# Altium PCB Levitador Magnetico.PcbDoc (part 3 of 3)
Units mm, origin at the board's own origin, x right, y up, seen from the top; angles counter-clockwise.
Board outline 150 x 150 mm, 2 copper layers (Top Layer, Bottom Layer), stack 1.571 mm thick; 249 components, 116 nets, 646 pads, 2428 vias.
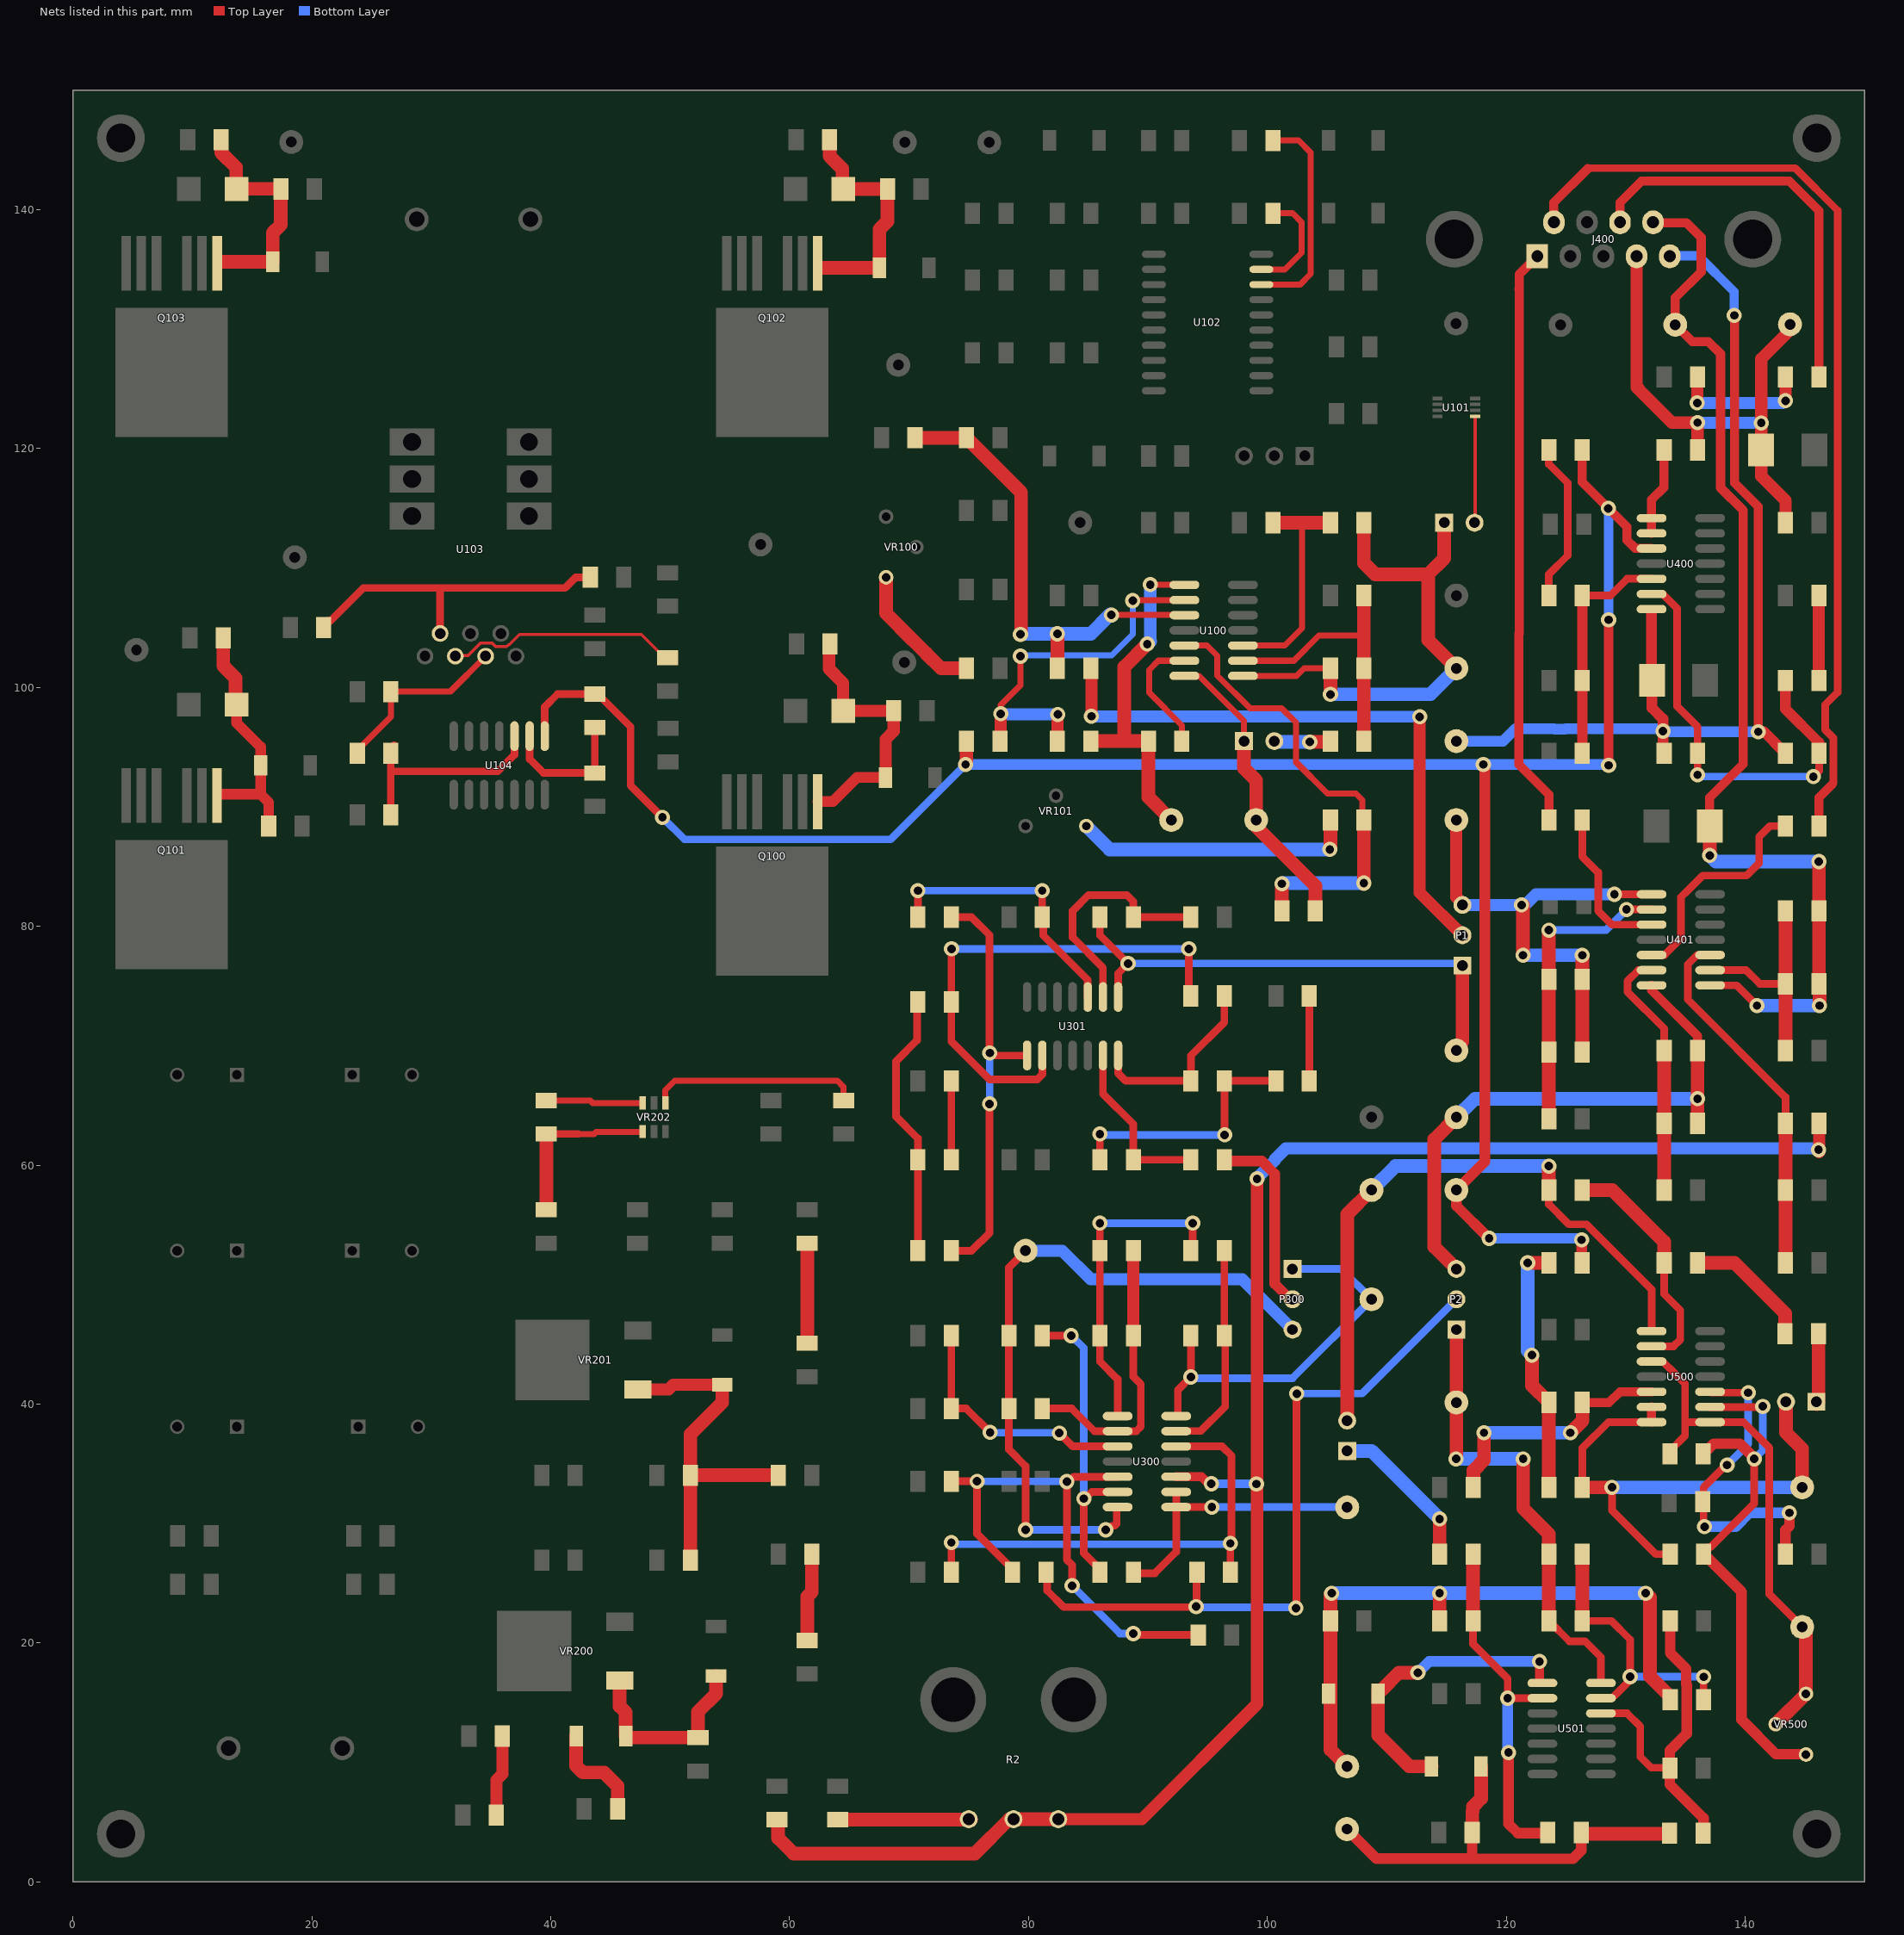
[diagram p3: the nets of this part, all layers, seen from the top]

## Via types
v1: diameter 0.6, hole 0.3, Top Layer to Bottom Layer, tented both sides, 1902 vias
v2: diameter 0.6, hole 0.3, Top Layer to Bottom Layer, 358 vias
v3: diameter 1.27, hole 0.711, Top Layer to Bottom Layer, tented both sides, 165 vias
v4: diameter 1.27, hole 0.711, Top Layer to Bottom Layer, 3 vias

## Nets (pads, with @x,y where several pads share a name; then routed paths per layer and width w, separated by ;. In a path a pad name is that pad's centre, name@x,y a point inside that pad or via, vN(x,y) a via of type N, cw(c..) or ccw(c..) an arc to the next point about the centre after c; other vN are vias at no path point) (continued)
HDEL: R119.1 U102.8 | length 18.3
  Top Layer w0.508: U102.8@99.496,133.731 102.743,133.731 103.632,134.62 103.632,144.78 102.616,145.796 R119.1@100.46,145.796
LDEL: R120.1 U102.9 | length 9.2
  Top Layer w0.508: U102.9@99.496,135.001 101.473,135.001 102.87,136.398 102.87,138.938 102.108,139.7 R120.1@100.46,139.7
NetC103_1: C103.1 R101.1 R106.2 U100.9 | length 23.1
  Top Layer w0.508: U100.9@97.954,102.235 102.21,102.235 104.318,104.343 107.975,104.343
  Top Layer w1.143: R106.2@108.08,95.504 R101.1@108.08,101.6 C103.1@108.08,107.696
NetC200_2: C200.2 D200.1 D202.1 VR200.1 | length 16.6
  Top Layer w1.143: VR200.1@45.771,16.84 45.771,14.681 46.271,14.181 D202.1@46.271,12.192 ; D202.1@46.395,12.068 C200.2@52.324,12.068 52.324,14.224 53.848,15.748 D200.1@53.848,17.229
NetC203_2: C203.2 C204.2 D201.1 R200.1 VR201.1 | length 30.4
  Top Layer w1.016: VR201.1@47.295,41.224 49.86,41.224 50.249,41.613 D201.1@54.356,41.613
  Top Layer w1.143: R200.1@51.692,26.924 C203.2@51.692,34.036 ; D201.1@54.356,41.613 54.356,40.132 51.692,37.468 C203.2@51.692,34.036 ; C204.2@59.052,34.036 C203.2@51.692,34.036
NetC208_2: C208.2 VR202.1 | length 17.7
  Top Layer w0.508: VR202.1@49.591,65.208 49.591,66.279 50.368,67.056 64.008,67.056 64.516,66.548 C208.2@64.516,65.408
NetC300_2: C300.2 R300.1 R305.2 U300.2 | length 24.2
  Top Layer w0.635: R305.2@81.156,39.624 83.617,39.624 85.522,37.719 U300.2@87.466,37.719 89.027,37.719 89.408,38.1 89.408,41.656 88.776,42.288 R300.1@88.776,45.72
  Top Layer w1.016: R300.1@88.776,45.72 C300.2@88.776,52.832
NetC303_1: C303.1 R314.1 | length 7.1
  Top Layer w0.635: R314.1@103.508,67.056 C303.1@103.508,74.168
NetC304_2: C304.2 R315.1 | length 6.6
  Top Layer w0.635: R315.1@73.536,60.452 C304.2@73.536,67.056
NetC400_2: C400.2 R400.2 R402.1 U401.2 | length 25
  Top Layer w0.635: R402.1@123.368,75.765 R402.1@123.571,75.968 ; v3(130.073,81.407) U401.2@132.17,81.407
  Top Layer w1.143: R400.2@123.568,63.881 C400.2@123.568,69.469 R402.1@123.568,75.565 ; R402.1@123.571,75.968 v3(123.571,79.68)
  Bottom Layer w0.635: v3(123.571,79.68) 128.346,79.68 v3(130.073,81.407)
NetC402_2: C402.2 R404.1 R405.2 U400.6 | length 36.4
  Top Layer w0.635: U400.6@132.17,107.823 133.103,107.823 134.315,106.611 134.315,98.425 136.02,96.72 R404.1@136.02,94.488 v3(136.02,92.682) ; v3(145.72,92.532) 146.202,93.015 C402.2@146.202,94.466
  Top Layer w0.889: R405.2@143.38,100.584 143.38,98.183 146.18,95.383 C402.2@146.18,94.488
  Bottom Layer w0.635: v3(136.02,92.682) 136.169,92.532 v3(145.72,92.532)
NetC403_2: C403.2 R406.2 R407.1 U401.6 | length 21.2
  Top Layer w0.635: U401.6@132.17,76.327 131.064,76.327 130.15,75.413 130.15,74.524 133.22,71.453 C403.2@133.22,69.596
  Top Layer w1.143: R406.2@133.22,57.912 R407.1@133.22,63.5 C403.2@133.22,69.596
NetC404_1: C404.1 R405.1 | length 7.1
  Top Layer w1.016: R405.1@146.18,100.584 C404.1@146.18,107.696
NetC406_2: C406.2 R409.1 | length 13.5
  Top Layer w0.635: R409.1@123.568,107.696 123.568,109.471 125.146,111.049 125.146,117.119 123.568,118.697 C406.2@123.568,119.888
NetC407_2: C407.2 R408.1 R409.2 U400.5 | length 19.6
  Top Layer w0.635: R409.2@126.368,107.696 128.727,107.696 130.124,109.093 U400.5@132.17,109.093
  Top Layer w0.889: C407.2@126.368,94.488 R408.1@126.368,100.584 R409.2@126.368,107.696
NetC408_2: C408.2 R411.1 R412.2 U401.9 | length 18.5
  Top Layer w0.635: U401.9@137.07,76.327 140.081,76.327 141.224,75.184 C408.2@143.38,75.184
  Top Layer w1.143: R412.2@143.38,69.596 C408.2@143.38,75.184 R411.1@143.38,81.28
NetC409_1: C409.1 R413.2 R414.2 U401.10 | length 30.6
  Top Layer w0.635: U401.10@137.07,77.597 135.992,77.597 135.204,76.81 135.204,73.863 143.38,65.687 R413.2@143.38,63.5
  Top Layer w1.143: C409.1@143.38,51.816 R414.2@143.38,57.912 R413.2@143.38,63.5
NetC500_2: C500.2 R502.2 R503.2 U501.13 | length 24.9
  Top Layer w0.635: R503.2@126.317,27.381 R503.2@126.368,27.432 ; C500.2@126.368,21.844 128.803,21.844 130.378,20.269 v3(130.378,17.17) 130.257,17.049 130.257,16.765 129.208,15.715 129.192,15.715 128.844,15.367 U501.13@127.926,15.367 ; R502.2@136.528,15.24 v3(136.528,17.148)
  Top Layer w1.143: C500.2@126.368,21.844 R503.2@126.368,27.432
  Bottom Layer w0.635: v3(130.378,17.17) 130.389,17.159 136.517,17.159 v3(136.528,17.148)
NetC501_2: C501.2 R508.2 R509.1 | length 21.3
  Top Layer w1.143: v3(121.793,51.816) R508.2@123.568,51.816 ; v3(122.149,44.094) 122.149,41.551 R509.1@123.568,40.132 C501.2@123.568,33.02
  Bottom Layer w1.143: v3(121.793,51.816) 121.793,44.45 v3(122.149,44.094)
NetC502_1: C502.1 P500.1 | length 6
  Top Layer w1.143: P500.1@146.007,39.982 146.149,40.124 C502.1@146.149,45.89
NetC502_2: C502.2 R510.1 | length 10.7
  Top Layer w1.143: R510.1@136.02,51.816 139.116,51.816 143.356,47.576 C502.2@143.356,45.98
NetC503_1: C503.1 R509.2 U500.5 | length 21.3
  Top Layer w0.762: R509.2@126.393,40.107 128.6,40.107 129.515,41.021 U500.5@132.17,41.021
  Top Layer w1.143: C503.1@117.224,33.02 117.259,33.055 117.259,34.434 118.135,35.31 v3(118.135,37.592) ; v3(125.374,37.592) 126.393,38.611 R509.2@126.393,40.107
  Bottom Layer w1.143: v3(118.135,37.592) v3(125.374,37.592)
NetC504_2: C504.2 R506.2 R512.1 U501.12 | length 29.5
  Top Layer w0.635: U501.12@127.926,14.097 130.124,14.097 131.216,13.005 131.216,10.465 132.141,9.541 133.411,9.541 133.698,9.253 133.728,9.223 C504.2@133.728,9.144
  Top Layer w0.889: R512.1@133.728,21.844 133.728,19.155 135.062,17.821 135.062,17.768 ; 135.065,17.768 135.065,16.525 135.109,16.481 135.109,12.39 133.698,10.979 C504.2@133.698,9.507 133.698,9.253 133.698,8.143 136.52,5.321 R506.2@136.52,4.054
NetC507_2: C507.2 R513.2 U500.9 VR500.1 | length 46.1
  Top Layer w0.635: R513.2@136.528,27.432 136.528,27.686 136.845,28.003 137.099,28.003 140.767,31.671 v3(140.767,35.408) ; U500.9@137.07,39.751 137.083,39.738 141.415,39.738 v3(141.478,39.802)
  Top Layer w0.889: C507.2@136.499,35.816 136.499,36.07 136.69,36.26 136.944,36.26 137.363,36.68 139.557,36.68 v3@140.795,35.442 ; R513.2@136.528,27.432 139.7,24.26 139.7,13.566 142.582,10.684 VR500.1@145.12,10.684
  Bottom Layer w0.635: v3(140.767,35.408) 141.478,36.119 v3(141.478,39.802)
NetD102_1: D102.1 D109.2 Q100.1 R117.2 R128.1 | length 22.7
  Top Layer w0.889: Q100.1@62.357,90.43 62.364,90.437 63.614,90.437 65.634,92.456 D109.2@68.029,92.456
  Top Layer w1.016: R117.2@63.475,103.533 63.297,103.356 63.297,101.549 64.484,100.362 D102.1@64.484,98.044 R128.1@68.704,98.044 68.704,96.339 68.029,95.664 D109.2@68.029,92.456
NetD103_1: D103.1 D108.2 Q101.1 R118.1 R127.2 | length 20.8
  Top Layer w0.889: Q101.1@12.198,91.051 15.705,91.051 ; D103.1@13.691,98.545 13.691,97.028 15.705,95.014 D108.2@15.705,93.472 15.705,91.051 ; R127.2@16.38,88.392 16.38,90.376 15.705,91.051
  Top Layer w1.143: R118.1@12.576,104.14 12.576,101.8 13.589,100.787 13.589,98.647 D103.1@13.684,98.552 D103.1@13.691,98.545
NetD105_1: D105.1 D111.2 Q102.1 R126.2 R130.1 | length 20.3
  Top Layer w1.143: Q102.1@62.56,135.128 D111.2@67.521,135.128 67.521,138.362 68.196,139.037 R130.1@68.196,141.732 D105.1@64.484,141.732 64.42,141.796 64.42,143.421 63.343,144.498 R126.2@63.343,146.012
NetD107_1: D107.1 D110.2 Q103.1 R125.1 R129.2 | length 19.3
  Top Layer w1.143: Q103.1@12.282,135.636 D110.2@16.721,135.636 16.721,138.063 17.396,138.738 R129.2@17.396,141.732 ; R125.1@12.401,145.869 12.401,144.784 13.656,143.53 D107.1@13.656,141.652 ; D107.1@13.665,141.751 R129.2@17.377,141.751
NetD202_2: D202.2 F200.2 | length 8.6
  Top Layer w1.143: D202.2@42.121,12.192 42.121,9.695 42.672,9.144 44.456,9.144 45.596,8.004 F200.2@45.596,6.096
NetD203_2: D203.2 R203.2 | length 6.8
  Top Layer w1.016: D203.2@35.436,5.588 35.436,8.512 35.944,9.02 R203.2@35.944,12.192
NetD204_2: D204.2 R204.1 | length 7.4
  Top Layer w1.143: D204.2@61.468,20.196 61.468,23.876 61.852,24.26 R204.1@61.852,27.432
NetD205_2: D205.2 R205.2 | length 8.4
  Top Layer w1.143: D205.2@61.468,45.088 R205.2@61.468,53.464
NetD403_2: D403.2 R415.2 | length 11.6
  Top Layer w1.016: v3(135.992,123.825) 136.006,123.839 136.006,125.97 R415.2@136.02,125.984 ; v3(143.38,124.006) D403.2@143.38,125.984
  Bottom Layer w1.016: v3(135.992,123.825) 143.13,123.825 143.311,124.006 v3(143.38,124.006)
NetD500_2: D500.2 D501.1 U501.1 | length 25.1
  Top Layer w0.762: U501.1@122.784,16.879 v3(122.784,18.44)
  Top Layer w1.143: D501.1@109.263,15.748 109.263,12.276 111.887,9.652 D500.2@113.749,9.652 ; D501.1@109.274,16.037 109.552,16.037 111.016,17.501 v3(112.598,17.501)
  Bottom Layer w0.889: v3(112.598,17.501) 113.538,18.44 v3(122.784,18.44)
NetP300_2: P300.2 R318.1 | length 15.8
  Top Layer w0.889: R318.1@96.498,60.35 99.523,60.35 100.609,59.264 100.609,50.063 P300.2@101.905,48.768
  Top Layer w1.016: P300.2@101.905,48.768 P300.2@102.108,48.768
NetP501_1: P501.1 R511.1 | length 13.2
  Top Layer w1.143: P501.1@106.68,36.068 106.68,35.912 P501.1@106.702,35.889 ; R511.1@114.424,27.432 v3(114.424,30.375)
  Bottom Layer w1.143: P501.1@106.68,36.068 108.717,36.068 114.409,30.375 v3(114.424,30.375)
NetR1_1: R1.1 R2.1 | length 11.2
  Top Layer w1.143: R1.1@64.008,5.204 R2.1@75.184,5.204
NetR100_1: R100.1 R102.2 R105.2 U100.3 | length 39.9
  Top Layer w0.508: v3(86.944,106.07) 92.978,106.07 93.029,106.02 U100.3@93.054,106.045
  Top Layer w1.143: R100.1@70.488,120.904 R105.2@74.8,120.904 79.375,116.329 79.375,104.496 v3(79.324,104.445) ; R102.2@82.42,101.6 v3(82.42,104.493)
  Bottom Layer w1.143: v3(79.324,104.445) 79.372,104.493 v3(82.42,104.493) 85.214,104.493 v3@86.843,106.121
NetR103_2: R103.2 VR100.3 | length 11.7
  Top Layer w1.143: VR100.3@68.072,109.22 68.072,106.197 70.336,103.934 70.352,103.934 71.422,102.864 71.422,102.848 72.669,101.6 R103.2@74.8,101.6
NetR104_2: R104.2 U100.6 | length 10.4
  Top Layer w0.508: R104.2@92.84,95.504 92.84,96.822 90.094,99.568 90.094,101.473 90.856,102.235 U100.6@93.054,102.235
NetR107_2: R107.2 R108.1 U100.2 | length 32.1
  Top Layer w0.508: v3(77.673,97.79) 77.673,98.527 79.324,100.178 v3(79.324,102.616) ; v3(88.722,107.264) 88.773,107.315 U100.2@93.054,107.315
  Top Layer w1.016: R107.2@77.673,95.577 v3(77.673,97.79) ; R108.1@82.42,95.504 82.42,97.711 v3(82.448,97.739)
  Bottom Layer w0.508: v3(79.324,102.616) 79.4,102.692 86.97,102.692 88.722,104.445 v3(88.722,107.264)
  Bottom Layer w1.016: v3(77.673,97.79) 77.724,97.739 v3(82.448,97.739)
NetR109_1: R109.1 R110.1 U100.5 | length 39.2
  Top Layer w0.508: U100.5@93.054,103.505 94.945,103.505 95.809,102.641 95.809,100.997 98.558,98.247 101.194,98.247 102.387,97.053 102.413,97.053 102.413,93.726 105.029,91.11 107.417,91.11 107.95,90.576 R109.1@107.95,88.77
  Top Layer w1.143: R110.1@101.216,81.28 v3(101.216,83.563) ; v3(108.077,83.617) R109.1@108.077,88.643
  Bottom Layer w1.143: v3(101.216,83.563) 101.27,83.617 v3(108.077,83.617)
NetR109_2: R109.2 VR101.3 | length 23.7
  Top Layer w1.143: v3(105.232,86.436) 105.28,86.484 R109.2@105.28,88.9
  Bottom Layer w1.143: VR101.3@84.836,88.392 86.792,86.436 v3(105.232,86.436)
NetR111_1: R111.1 R112.1 U100.10 | length 19.1
  Top Layer w0.508: U100.10@97.954,103.505 101.448,103.505 102.895,104.953 102.895,113.741
  Top Layer w1.143: R111.1@100.46,113.792 R112.1@105.28,113.792
NetR113_1: R113.1 R114.2 U104.2 | length 11.7
  Top Layer w0.635: U104.2@38.227,95.922 38.227,94.005 39.389,92.843 43.684,92.843 43.688,92.847 R113.1@43.688,96.644
NetR115_2: R115.2 R116.2 U104.3 | length 18
  Top Layer w0.635: R116.2@26.6,89.332 26.6,92.812 ; R115.2@26.6,94.488 26.6,92.812 ; R115.2@26.876,94.894 R115.2@26.876,95.148 ; U104.3@36.957,95.922 36.957,94.361 35.56,92.964 26.752,92.964 26.6,92.812
NetR121_1: R121.1 U103.5 | length 19.5
  Top Layer w0.254: U103.5@32.004,102.616 32.074,102.686 33.085,102.686 34.096,103.697 35.109,103.697 35.366,103.44 36.308,103.44 cw(c37.084,102.616) 36.557,103.617 37.384,104.445 47.577,104.445 49.53,102.492 R121.1@49.784,102.492
NetR201_1: R201.1 R202.2 VR202.4 | length 14.7
  Top Layer w0.508: 42.288,62.608 43.634,62.608 43.789,62.763 47.557,62.763 47.691,62.629 VR202.4@47.691,62.808
  Top Layer w0.635: R202.2@39.624,62.608 42.288,62.608
  Top Layer w1.143: R201.1@39.624,56.264 R202.2@39.624,62.608
NetR202_1: R202.1 VR202.3 | length 8.1
  Top Layer w0.508: R202.1@39.624,65.408 43.304,65.408 43.504,65.208 VR202.3@47.691,65.208
NetR301_1: R301.1 R303.2 R324.1 U300.5 | length 44.1
  Top Layer w0.635: R301.1@73.536,33.528 v3(75.692,33.528) 75.692,29.131 78.661,26.162 R303.2@78.661,25.908 ; v4(83.65,24.789) 83.65,26.512 83.21,26.952 v3(83.21,33.503) 83.382,33.503 83.789,33.909 U300.5@87.466,33.909 ; v4(88.771,20.776) 88.889,20.658 R324.1@94.214,20.658
  Bottom Layer w0.635: v3(75.692,33.528) 75.705,33.515 83.198,33.515 v3(83.21,33.503) ; v4(83.65,24.789) 87.663,20.776 v4(88.771,20.776)
NetR302_1: R302.1 R304.2 U300.12 | length 40.7
  Top Layer w0.635: R302.1@73.536,25.908 v3(73.536,28.4) ; U300.12@92.366,36.449 96.215,36.449 96.99,35.674 96.99,28.41 v3(96.904,28.324) R304.2@96.904,25.908
  Bottom Layer w0.635: v3(73.536,28.4) 73.679,28.258 96.837,28.258 v3(96.904,28.324)
NetR306_2: R306.2 R308.1 U300.13 | length 17.9
  Top Layer w0.635: U300.13@92.366,37.719 92.378,37.731 94.424,37.731 96.469,39.776 96.469,40.208 R308.1@96.469,45.647 ; R308.1@96.396,45.72 R306.2@96.396,52.832
NetR307_2: R307.2 R311.2 U300.3 | length 21.3
  Top Layer w0.635: R307.2@73.536,45.72 R311.2@73.536,39.624 74.778,39.624 v3(76.784,37.617) ; v3(82.575,37.567) 82.585,37.567 83.703,36.449 U300.3@87.466,36.449
  Bottom Layer w0.635: v3(76.784,37.617) 76.81,37.592 82.55,37.592 v3(82.575,37.567)
NetR309_1: R309.1 TP303.1 U300.8 U300.9 | length 24.2
  Top Layer w0.635: R309.1@88.776,26.162 R309.1@88.776,25.908 88.852,25.832 90.576,25.832 92.366,27.621 U300.8@92.366,31.369 ; U300.9@92.366,32.639 U300.8@92.366,31.369 ; v3@95.288,31.357 v3@95.352,31.293 ; v3(95.352,31.369) 92.394,31.369 92.38,31.355 U300.8@92.366,31.369
  Bottom Layer w0.635: v3@95.352,31.293 v3@95.428,31.369 ; v3(95.352,31.369) v3@95.428,31.369 ; v3@95.441,31.382 v3@95.428,31.369 ; TP303.1@106.685,31.369 v3@95.428,31.369
NetR309_2: R309.2 R310.1 U300.6 | length 26.2
  Top Layer w0.635: R310.1@81.156,45.72 v3(83.566,45.72) ; R309.2@85.976,25.908 85.976,26.162 84.633,27.505 v3(84.633,32.08) 84.739,32.08 85.298,32.639 U300.6@87.466,32.639
  Bottom Layer w0.635: v3@83.642,45.669 84.633,44.679 v3(84.633,32.08)
NetR312_1: R312.1 R320.2 U301.2 | length 42.1
  Top Layer w0.635: v3(73.558,78.105) 73.536,78.083 R312.1@73.536,73.66 73.536,70.355 76.708,67.183 80.747,67.183 81.153,67.589 U301.2@81.153,69.178 ; R320.2@93.421,74.343 v3(93.421,78.105)
  Bottom Layer w0.635: v3(73.558,78.105) v3(93.421,78.105)
NetR312_2: R312.2 R315.2 R317.2 | length 22.3
  Top Layer w0.635: R317.2@70.736,52.832 70.736,62.233 68.91,64.059 68.91,68.707 70.663,70.46 70.663,73.587 R312.2@70.736,73.66
NetR313_1: R313.1 R318.2 U301.6 | length 14.6
  Top Layer w0.635: U301.6@86.233,69.178 86.233,65.964 88.776,63.421 R313.1@88.776,60.452 R318.2@93.596,60.452
NetR313_2: R313.2 R314.2 R316.2 | length 21.4
  Top Layer w0.635: R313.2@85.976,60.452 v3(85.976,62.608) ; R316.2@96.396,67.056 R314.2@100.708,67.056 ; v3(96.418,62.535) R316.2@96.418,67.034
  Bottom Layer w0.635: v3(85.976,62.608) 86.049,62.535 v3(96.418,62.535)
NetR316_1: R316.1 R320.1 U301.7 | length 16.1
  Top Layer w0.635: U301.7@87.503,69.178 87.503,67.691 88.138,67.056 R316.1@93.596,67.056 93.596,69.161 96.396,71.961 R320.1@96.396,74.168
NetR317_1: R317.1 R321.1 U301.1 | length 35.8
  Top Layer w0.635: R317.1@73.536,52.832 75.235,52.832 76.733,54.331 v3(76.733,65.126) ; R321.1@73.536,80.772 75.209,80.772 76.733,79.248 76.733,69.418 v3(76.759,69.393) 76.931,69.393 77.145,69.178 U301.1@79.883,69.178
  Bottom Layer w0.635: v3(76.733,65.126) 76.746,65.138 76.746,69.38 v3(76.759,69.393)
NetR319_1: R319.1 R321.2 U301.10 | length 23.1
  Top Layer w0.635: R321.2@70.736,80.772 v3(70.736,82.985) ; R319.1@81.128,80.744 81.229,80.642 81.229,79.248 84.951,75.527 84.951,74.09 U301.10@84.963,74.078 ; R319.1@81.15,80.766 v3(81.15,82.985)
  Bottom Layer w0.635: v3(70.736,82.985) v3(81.15,82.985)
NetR322_2: R322.2 R323.1 U301.9 | length 20.2
  Top Layer w0.635: U301.9@86.233,74.078 86.233,76.53 83.693,79.07 83.693,81.28 85.014,82.601 88.24,82.601 88.776,82.064 R323.1@88.776,80.772 R322.2@93.596,80.772
NetR401_1: R401.1 U400.1 U400.2 | length 7.4
  Top Layer w0.762: U400.2@132.17,112.903 U400.1@132.17,114.173 132.17,115.711 133.22,116.761 R401.1@133.22,119.888
NetR403_2: R403.2 U401.3 | length 13.1
  Top Layer w0.635: R403.2@126.368,88.9 126.368,85.84 127.701,84.506 127.701,81.29 128.854,80.137 U401.3@132.17,80.137
NetR410_2: R410.2 U401.5 | length 19
  Top Layer w0.635: U401.5@132.17,77.597 133.248,77.597 134.62,78.969 134.62,82.423 135.249,83.052 135.249,83.059 135.788,83.599 135.796,83.599 136.449,84.252 140.132,84.252 141.173,85.293 141.173,87.478 142.088,88.392 R410.2@143.38,88.392
NetR501_1: R501.1 R505.1 R511.2 U501.2 | length 30.4
  Top Layer w0.635: R501.1@117.224,21.844 117.224,19.888 118.669,18.443 120.117,16.996 v3(120.117,15.367) U501.2@123.026,15.367
  Top Layer w0.889: v3(120.193,10.82) 120.193,4.851 120.984,4.06 123.454,4.06 R505.1@123.552,3.963
  Top Layer w1.143: R501.1@117.224,21.844 R511.2@117.224,27.432
  Bottom Layer w0.889: v3(120.117,15.367) 120.117,10.897 v3(120.193,10.82)
NetR504_1: R504.1 R510.2 U500.2 | length 20
  Top Layer w0.635: U500.2@132.17,44.831 134.01,44.831 134.569,45.39 134.569,47.854 133.22,49.203 R510.2@133.22,51.816
  Top Layer w1.143: R504.1@126.368,57.912 128.88,57.912 133.22,53.572 R510.2@133.22,51.816
NetR514_2: R514.2 R515.2 U500.10 | length 27.2
  Top Layer w0.635: v3@136.528,29.8 136.528,31.757 136.528,33.02 138.396,34.888 v3(138.494,34.888) ; U500.10@137.07,41.021 137.146,40.945 v3(140.259,40.945)
  Top Layer w0.889: v3@136.528,29.8 v3(136.601,29.727) ; R514.2@143.38,27.432 143.38,29.442 143.71,29.772 v3(143.71,30.883)
  Bottom Layer w0.635: v3(138.494,34.888) 140.259,36.652 v3(140.259,40.945)
  Bottom Layer w0.889: v3(136.601,29.727) 139.227,29.727 140.383,30.883 v3(143.71,30.883)
PRESENCIA_PLACA: D403.1 J400.8 | length 34
  Top Layer w0.762: J400.8@129.529,138.945 129.529,140.588 131.333,142.392 143.688,142.392 146.18,139.9 D403.1@146.18,125.984
STANDBY: R122.1 R123.2 U103.6 | length 28
  Top Layer w0.635: R122.1@20.983,105.004 20.983,105.258 21.301,105.575 21.555,105.575 24.311,108.331 30.734,108.331 ; U103.6@30.734,104.521 30.734,108.331 ; R123.2@43.304,109.22 42.088,109.22 41.199,108.331 30.734,108.331
V_HALL: C119.2 R115.1 U103.3 | length 15.3
  Top Layer w0.508: R115.1@23.978,94.821 23.898,94.742 23.898,94.841 26.6,97.542 C119.2@26.6,99.644 31.572,99.644 U103.3@34.544,102.616
V_HIST: P100.1 R110.2 TP100.1 U100.7 | length 24.9
  Top Layer w0.508: U100.7@93.054,100.965 94.285,100.965 98.044,97.206 P100.1@98.044,95.504
  Top Layer w1.143: P100.1@98.044,95.504 98.044,93.218 99.06,92.202 TP100.1@99.06,88.9 99.06,88.341 104.016,83.385 R110.2@104.016,81.28
V_I*R: C507.1 TP505.1 U500.3 U500.8 VR500.2 VR500.3 | length 43.6
  Top Layer w0.635: U500.3@132.17,43.561 133.103,43.561 133.991,42.673 133.991,42.666 134.976,41.681 134.976,37.346 133.763,36.133 C507.1@133.763,35.879 ; 134.997,38.496 135.012,38.481 U500.8@137.07,38.481 139.878,38.481 142.029,36.33 142.029,24.087 TP505.1@144.78,21.336
  Top Layer w1.143: C507.1@133.699,35.816 C507.1@133.763,35.879 ; VR500.2@142.555,13.191 145.083,15.719 VR500.3@145.083,15.731 ; TP505.1@144.698,21.347 145.095,20.95 TP505.1@145.095,20.92 ; TP505.1@144.945,21.069 TP505.1@145.095,20.92 ; VR500.3@145.095,15.731 TP505.1@145.095,20.92
VCOMP_A: P1.1 R323.2 TP302.1 U301.8 | length 43.3
  Top Layer w0.635: R323.2@85.976,80.772 85.976,79.251 v3(88.341,76.886) 87.503,76.048 U301.8@87.503,74.078
  Top Layer w1.143: TP302.1@115.824,69.596 115.824,69.828 116.33,70.334 116.33,73.531 116.332,73.533 P1.1@116.332,76.708
  Bottom Layer w0.635: v3(88.341,76.886) P1.1@116.332,76.886
VCOMP_D: C400.1 P1.3 R402.2 TP400.1 U401.1 | length 40.6
  Top Layer w0.635: v3(129.057,82.677) U401.1@132.17,82.677
  Top Layer w1.016: TP400.1@115.824,88.9 115.824,82.427 116.332,81.919 P1.3@116.332,81.788
  Top Layer w1.143: v3(121.282,81.788) 121.406,81.788 121.409,81.785 v3(121.409,77.575) ; C400.1@126.368,69.469 R402.2@126.368,75.565 v3(126.368,77.575)
  Bottom Layer w1.016: P1.3@116.332,81.788 v3(121.282,81.788) ; v3@121.59,81.788 122.479,82.677 v3(129.057,82.677)
  Bottom Layer w1.143: v3(121.409,77.575) v3(126.368,77.575)
VCOMP_DAC: J400.1 R403.1 | length 49
  Top Layer w0.762: 121.048,133.355 121.077,133.384 121.077,134.578 J400.1@122.604,136.105 ; 121.082,133.413 121.082,104.52 121.056,104.495 121.056,93.542 123.568,91.031 R403.1@123.568,88.9
VDER: P501.2 R504.2 TP501.1 U500.1 | length 54
  Top Layer w0.635: R504.2@123.568,57.912 123.568,56.721 125.247,55.042 126.725,55.042 132.17,49.597 U500.1@132.17,46.101
  Top Layer w1.143: P501.2@106.68,38.608 106.68,55.88 TP501.1@108.712,57.912 ; R504.2@123.568,57.912 v3(123.568,59.922)
  Bottom Layer w1.143: TP501.1@108.76,57.96 110.722,59.922 v3(123.568,59.922)
VERROR1: P300.3 R305.1 R310.2 TP300.1 U300.7 | length 58.9
  Top Layer w0.635: v3(79.756,29.464) 79.756,34.792 78.356,36.192 R305.1@78.356,39.624 R310.2@78.356,45.72 78.356,51.432 TP300.1@79.756,52.832 ; v3(86.462,29.464) 86.633,29.464 86.982,29.813 87.217,29.813 87.376,29.972 87.376,31.279 U300.7@87.466,31.369
  Bottom Layer w0.635: v3(79.756,29.464) v3(86.462,29.464)
  Bottom Layer w1.016: TP300.1@79.756,52.832 82.829,52.832 85.217,50.444 97.892,50.444 P300.3@102.108,46.228
VERROR2: P300.1 R308.2 TP301.1 U300.14 | length 32.6
  Top Layer w0.635: U300.14@92.507,39.13 92.507,41.173 v3(93.596,42.263) R308.2@93.596,45.72
  Bottom Layer w0.635: v3(93.596,42.263) 93.695,42.164 102.108,42.164 TP301.1@108.712,48.768 106.172,51.308 P300.1@102.108,51.308
"VI_ ERROR": R104.1 R108.2 TP106.1 U100.1 | length 28.9
  Top Layer w0.508: v3(90.195,108.61) 90.221,108.585 U100.1@93.054,108.585
  Top Layer w1.143: R108.2@85.22,95.504 R104.1@90.04,95.504 90.04,90.808 TP106.1@91.948,88.9 ; 88.011,95.733 88.011,101.702 v3(89.941,103.632)
  Bottom Layer w0.508: v3(89.941,103.632) v3@89.992,103.683
  Bottom Layer w1.016: v3@90.195,103.886 v3(90.195,108.61)
  Bottom Layer w1.143: v3@89.992,103.683 v3@90.195,103.886
VI_FEED: C406.1 R107.1 R113.2 R508.1 TP103.1 U104.1 U400.3 | length 189.1
  Top Layer w0.635: U104.1@39.497,95.922 39.497,98.374 40.567,99.444 R113.2@43.688,99.444 43.942,99.444 46.685,96.701 46.685,91.79 v3(49.35,89.125)
  Top Layer w0.762: C406.1@126.368,119.888 126.368,117.193 128.549,115.011 v3(128.549,114.986) 130.099,113.436 130.099,112.344 130.81,111.633 U400.3@132.17,111.633 ; v3(128.575,93.472) v3(128.575,105.664)
  Top Layer w0.889: v3(118.085,93.548) 118.212,93.421 118.212,60.3 TP103.1@115.824,57.912 115.824,56.598 118.548,53.873 v3(118.567,53.873) ; R508.1@126.314,51.87 v3(126.314,53.746)
  Top Layer w1.143: v3(74.727,93.548) 74.8,93.621 R107.1@74.8,95.504
  Bottom Layer w0.635: v3(49.35,89.125) 51.2,87.274 68.453,87.274 v3(74.727,93.548)
  Bottom Layer w0.762: v3(128.549,114.986) 128.575,114.96 v3(128.575,105.664)
  Bottom Layer w0.889: v3(74.727,93.548) v3(118.085,93.548) v3@128.575,93.548 ; v3(118.567,53.873) 126.289,53.873 126.365,53.797 v3(126.314,53.746)
VI_FEED_ADC: C402.1 D401.2 J400.5 R404.2 TP403.1 U400.7 | length 85.3
  Top Layer w0.762: v3@139.092,131.081 139.116,131.057 139.116,117.119 141.097,115.138 v3(141.097,96.291)
  Top Layer w0.889: D401.2@132.164,100.458 U400.7@132.164,106.39 ; D401.2@132.207,100.584 132.207,98.273 133.121,97.358 v3(133.121,96.342) R404.2@133.121,94.587 ; v3(141.097,96.291) 141.577,96.291 C402.1@143.256,94.612
  Bottom Layer w0.762: J400.5@133.648,136.143 136.071,136.143 139.092,133.122 v3(139.092,131.153)
  Bottom Layer w0.889: TP403.1@115.824,95.504 119.736,95.504 120.777,96.545 123.993,96.545 124.044,96.495 124.927,96.495 124.978,96.545 132.918,96.545 v3(133.121,96.342) 133.172,96.291 v3(141.097,96.291)
Vi_Feed_LPF: C501.1 P500.2 R513.1 TP504.1 U500.6 U500.7 | length 45.7
  Top Layer w0.635: C501.1@126.368,33.02 126.368,36.3 128.549,38.481 U500.7@132.17,38.481 ; v3@128.871,33.04 128.871,31.075 132.514,27.432 R513.1@133.728,27.432
  Top Layer w0.762: U500.7@132.17,38.481 U500.6@132.17,39.751
  Top Layer w1.143: C501.1@126.368,33.02 v3(128.854,33.02) ; P500.2@143.422,40.184 143.422,37.604 144.78,36.246 TP504.1@144.78,33.02
  Bottom Layer w1.143: v3(128.854,33.02) TP504.1@144.78,33.02
VI_FEED_VALOR_MEDIO_ADC: C401.2 D400.2 J400.4 R401.2 TP402.1 | length 43.1
  Top Layer w1.016: J400.4@130.914,136.105 130.914,125.211 131.084,125.041 ; 130.927,125.128 133.881,122.174 v3(136.017,122.174) R401.2@136.017,120.241 ; 141.351,127.508 v3(141.351,122.149) D400.2@141.351,119.888 141.351,117.678 143.38,115.649 C401.2@143.38,113.792 ; 141.394,127.557 143.757,129.919 TP402.1@143.757,130.408
  Bottom Layer w1.016: v3(136.017,122.174) 136.03,122.161 141.338,122.161 v3(141.351,122.149)
VI_REF: P1.2 R102.1 | length 51.2
  Top Layer w1.016: v3(85.268,97.587) R102.1@85.268,101.552 ; v3(112.751,97.536) 112.751,82.829 P1.2@116.332,79.248
  Bottom Layer w1.016: v3(85.268,97.587) v3(112.751,97.536)
VIN_OSC_HF: P100.2 R106.1 | length 4.8
  Top Layer w1.143: v3(103.556,95.428) 105.204,95.428 R106.1@105.28,95.504
  Bottom Layer w1.143: P100.2@100.584,95.504 100.66,95.428 v3(103.556,95.428)
VINTEGRADOR: C300.1 R300.2 R306.1 U300.1 | length 26.7
  Top Layer w0.635: v3(85.976,55.14) C300.1@85.976,52.832 R300.2@85.976,45.72 85.976,43.564 87.466,42.074 U300.1@87.466,38.989 ; R306.1@93.748,52.984 v3(93.748,55.14)
  Bottom Layer w0.635: v3(85.976,55.14) v3(93.748,55.14)
VOUT_OSC_HF: P101.1 R101.2 R112.2 TP101.1 U100.8 | length 44.1
  Top Layer w0.508: U100.8@97.954,100.965 102.438,100.965 103.073,101.6 R101.2@105.28,101.6
  Top Layer w1.143: v3(105.28,99.419) R101.2@105.28,101.6 ; R112.2@108.08,113.792 108.08,110.411 109.017,109.474 113.462,109.474 ; P101.1@114.808,113.792 114.808,110.82 113.462,109.474 ; TP101.1@115.824,101.6 113.462,103.962 113.462,109.474
  Bottom Layer w1.143: v3(105.28,99.419) 113.643,99.419 TP101.1@115.824,101.6
VPOS_EST: P2.2 R303.1 R304.1 | length 60.6
  Top Layer w0.635: R303.1@81.461,25.908 81.559,25.809 81.559,24.384 82.956,22.987 93.98,22.987 94.067,23.074 94.067,25.871 R304.1@94.104,25.908 ; v3(102.387,22.911) 102.425,22.949 102.425,40.831 v3(102.464,40.869)
  Bottom Layer w0.635: v3(94.031,23.038) 94.094,22.974 102.324,22.974 v3(102.387,22.911) ; v3(102.464,40.869) 107.925,40.869 P2.2@115.824,48.768
VPOS_EST_A: C500.1 P2.1 R503.1 TP500.1 U501.14 | length 38
  Top Layer w0.635: C500.1@123.568,21.844 125.289,20.123 126.604,20.123 127.926,18.801 U501.14@127.926,16.637
  Top Layer w1.143: v3(115.799,35.408) 115.824,35.433 TP500.1@115.824,40.132 P2.1@115.824,46.228 ; v3(121.412,35.408) 121.412,31.264 123.568,29.108 R503.1@123.568,28.07 ; C500.1@123.568,21.844 R503.1@123.568,27.432
  Bottom Layer w1.143: v3(115.799,35.408) v3(121.412,35.408)
VPOS_EST_D: C403.1 P2.3 R407.2 TP401.1 U401.7 | length 48.2
  Top Layer w0.762: U401.7@132.17,75.057 132.17,74.662 136.02,70.812 C403.1@136.02,69.596
  Top Layer w1.143: P2.3@115.824,51.308 113.97,53.162 113.97,62.154 TP401.1@115.824,64.008 ; R407.2@136.02,63.5 v3(136.02,65.557) C403.1@136.02,69.596
  Bottom Layer w1.143: TP401.1@115.824,64.008 117.373,65.557 v3(136.02,65.557)
VPOS_EST_DAC: J400.6 R410.1 | length 80.8
  Top Layer w0.635: 126.79,143.485 144.196,143.485 147.752,139.929 147.752,99.593 146.698,98.539 146.698,96.464 147.386,95.775 147.386,91.975 147.269,91.858
  Top Layer w0.762: J400.6@123.989,138.945 123.989,140.591 126.822,143.425 ; R410.1@146.18,88.392 146.18,90.769 147.269,91.858
VPOS_REF: R2.2 R2.3 R3.2 R413.1 U300.10 | length 149.3
  Top Layer w0.75: U300.10@92.366,33.909 94.488,33.909 95.072,33.325 v3(95.301,33.325)
  Top Layer w1.016: R2.3@82.49,5.24 89.492,5.24 99.136,14.884 v3(99.136,58.852) ; v3@146.205,61.084 R413.1@146.205,63.805
  Top Layer w1.143: R3.2@58.928,5.204 58.973,5.204 59.037,5.141 59.037,3.65 60.325,2.362 75.514,2.362 78.392,5.24 R2.2@78.74,5.24 R2.3@82.49,5.24
  Bottom Layer w0.75: v3(95.301,33.325) v3@99.085,33.325
  Bottom Layer w1.016: v3(99.136,58.852) 99.136,58.921 100.622,60.406 100.622,60.49 101.549,61.417 146.025,61.417 v3(146.152,61.29)
  other v3: 99.085,33.299
VPOS_REF_ADC: C408.1 D402.2 J400.9 R411.2 TP404.1 U401.8 | length 92.8
  Top Layer w0.635: U401.8@137.07,75.057 139.294,75.057 v3(140.995,73.355)
  Top Layer w0.762: J400.9@132.273,138.898 135.095,138.898 136.325,137.669 136.325,134.795 134.151,132.622 TP404.1@134.151,130.37 135.573,128.948 136.931,128.948 137.947,127.931 137.947,127.623 ; D402.2@137.033,88.392 137.033,90.78 139.827,93.574 139.827,114.833 137.947,116.713 137.947,127.623 ; 137.961,127.61 137.947,127.623
  Top Layer w1.143: v3(137.033,85.928) D402.2@137.033,88.392 ; v3(146.177,85.42) 146.18,85.417 R411.2@146.18,81.28 C408.1@146.18,75.184 ; v3(146.228,73.355) C408.1@146.228,75.136
  Bottom Layer w1.143: v3(137.033,85.928) 137.541,85.42 v3(146.177,85.42) ; v3(140.995,73.355) v3(146.228,73.355)
VPST: D500.1 R505.2 R506.1 R507.2 TP503.1 | length 37.9
  Top Layer w0.889: TP503.1@106.665,4.407 109.142,1.93 117.147,1.93 ; R507.2@117.147,4.119 117.147,1.93 ; 117.237,1.93 117.147,1.93 ; R505.2@126.277,4.269 126.277,2.608 125.59,1.921 117.147,1.921 117.147,1.93
  Top Layer w1.143: R507.2@117.159,3.777 117.159,5.656 117.224,6.302 117.899,6.977 D500.1@117.899,9.652 ; R505.2@126.368,4.022 R506.1@133.262,4.022
VSW: P101.2 U101.1 | length 8.9
  Top Layer w0.305: P101.2@117.399,113.843 U101.1@117.399,122.694
VTST: D501.2 R500.1 R501.2 R502.1 TP502.1 | length 53.5
  Top Layer w1.143: v3(105.382,24.158) 105.28,24.057 R500.1@105.28,21.844 105.28,11.052 TP502.1@106.68,9.652 ; R501.2@114.424,21.844 v3(114.424,24.158) ; v3(131.677,24.158) 132.029,23.806 132.029,17.193 133.728,15.494 R502.1@133.728,15.24
  Bottom Layer w1.143: v3(105.382,24.158) v3(114.424,24.158) v3(131.677,24.158)
pads on no net: P102.1 R2.GND U100.12 U100.13 U100.14 U101.2 U101.6 U104.5 U104.6 U104.7 U104.8 U104.9 U104.10 U104.12 U104.13 U104.14 U301.12 U301.13 U301.14 U400.8 U400.9 U400.10 U400.12 U400.13 U400.14 U401.12 U401.13 U401.14 U500.12 U500.13 U500.14 U501.5 U501.6 U501.7 U501.8 U501.9 U501.10

## Polygon pours and split planes (outlines as drawn)
GND on Top Layer "Top Layer-No +24VNet" (solid, remove dead copper, pour order 56): 61.62,132.283 53.721,132.283 53.721,148.602 60.946,148.602 61.62,148.602 61.62,132.537
GND on Top Layer "Top Layer-No +24VNet" (solid, remove dead copper, pour order 58): 11.242,132.207 2.845,132.207 2.794,132.258 2.794,141.224 3.861,142.291 7.188,145.618 7.544,145.974 7.544,148.571 9.988,148.571 10.65,148.575 11.243,148.575
GND on Top Layer "GND_L01_P043" (solid, remove dead copper, pour order 59): 1.093,1.016 29.464,1.016 29.464,24.765 cw(c29.693,24.765) 29.531,24.927 31.75,27.146 31.75,67.031 cw(c31.979,67.031) 31.817,67.192 37.151,72.526 cw(c37.313,72.365) 37.313,72.593 63.075,72.593 64.872,74.39 64.872,149.018 1.093,149.018
GND on Top Layer "GND_L01_P044" (solid, remove dead copper, pour order 60): 29.921,1.004 29.921,24.67 32.14,26.889 ccw(c31.979,27.051) 32.207,27.051 32.207,66.936 37.407,72.136 63.17,72.136 ccw(c63.17,72.365) 63.331,72.203 65.262,74.133 ccw(c65.1,74.295) 65.329,74.295 65.329,149.213 148.966,149.213 148.966,1.004
AHS on Top Layer "Top Layer AHS" (solid, remove dead copper, pour order 41): 33.757,146.914 33.782,146.888 33.757,131.597 32.233,129.896 30.632,128.143 28.651,128.143 26.772,128.143 23.622,124.917 23.622,120.777 15.113,120.777 12.383,117.475 12.37,116.027 12.319,110.541 12.319,106.918 11.209,105.809 11.209,88.011 4.521,88.011 4.42,88.113 2.718,88.113 2.718,131.826 2.769,131.775 12.37,131.775 23.952,131.775 23.978,131.801 23.851,131.928 23.851,146.914 33.807,146.914 33.858,146.863
AHS2 on Top Layer "Top Layer-No +24VNet" (solid, remove dead copper, pour order 54): 43.688,146.812 34.036,146.812 34.036,131.851 30.632,128.016 26.975,128.016 25.26,126.301 23.876,124.917 23.876,119.05 23.876,111.303 28.804,111.303 33.02,111.303 33.02,120.675 34.15,122.263 35.268,123.38 40.881,123.381 43.688,127.406 43.688,146.812 34.036,146.812
BHS on Top Layer "Top Layer BHS" (solid, remove dead copper, pour order 37): 63.5,132.08 43.866,132.105 43.866,130.048 43.866,127.229 42.316,125.095 40.996,123.177 38.049,123.177 36.627,123.177 35.293,123.177 33.274,120.828 33.274,111.303 53.95,111.303 53.95,87.782 54,87.732 54,87.782 61.747,87.732 61.747,109.652 63.246,111.15 63.5,111.404 63.5,132.105
+24V on Top Layer "Top Layer-+24V" (solid, remove dead copper, pour order 38): 8.636,4.064 17.78,4.064 17.78,16.764 18.796,17.78 24.892,23.876 24.892,31.496 26.924,33.528 26.924,72.136 28.956,74.168 62.992,74.168 62.992,86.868 33.02,86.868 3.048,86.868 3.048,75.692 3.048,75.184 3.048,74.168 3.048,72.136 6.096,72.136 11.176,72.136 11.176,33.02 10.16,32.004 10.16,31.496 10.16,23.876 8.636,22.352
GND on Bottom Layer "GND_L02_P045" (solid, pour order 61): 0.918,0.977 29.515,0.977 29.515,24.79 cw(c29.743,24.79) 29.582,24.952 31.801,27.171 31.801,67.056 cw(c32.029,67.056) 31.868,67.218 37.202,72.552 cw(c37.363,72.39) 37.363,72.619 63.126,72.619 64.922,74.415 64.922,149.007 0.918,149.007
GND on Bottom Layer "GND_L02_P046" (solid, pour order 62): 29.972,0.964 29.972,24.696 32.191,26.915 ccw(c32.029,27.076) 32.258,27.076 32.258,66.961 37.458,72.161 63.221,72.161 ccw(c63.221,72.39) 63.382,72.228 65.313,74.159 ccw(c65.151,74.32) 65.38,74.32 65.38,149.009 148.831,149.009 148.831,0.964
AHS on Bottom Layer "Top Layer-No +24VNet" (solid, remove dead copper, pour order 53): 33.757,146.914 33.782,146.888 33.757,131.597 32.233,129.896 30.632,128.143 28.651,128.143 26.772,128.143 23.622,124.917 23.622,120.777 15.113,120.777 12.383,117.475 12.37,116.027 12.319,110.541 12.319,106.918 11.209,105.809 11.209,88.011 4.521,88.011 4.42,88.113 2.718,88.113 2.718,131.826 2.769,131.775 12.37,131.775 23.952,131.775 23.978,131.801 23.851,131.928 23.851,146.914 33.807,146.914 33.858,146.863
AHS2 on Bottom Layer "Bottom Layer AHS2" (solid, remove dead copper, pour order 39): 43.688,146.812 34.036,146.812 34.036,131.851 30.632,128.016 26.975,128.016 25.26,126.301 23.876,124.917 23.876,119.05 23.876,111.303 28.804,111.303 33.02,111.303 33.02,120.675 34.15,122.263 35.268,123.38 40.881,123.381 43.688,127.406 43.688,146.812 34.036,146.812
BHS on Bottom Layer "Bottom Layer BHS" (solid, remove dead copper, pour order 40): 63.5,132.08 43.866,132.105 43.866,130.048 43.866,127.229 42.316,125.095 40.996,123.177 38.049,123.177 36.627,123.177 35.293,123.177 33.274,120.828 33.274,111.303 53.95,111.303 53.95,87.782 54,87.732 54,87.782 61.747,87.732 61.747,109.652 63.246,111.15 63.5,111.404 63.5,132.105
+24V on Bottom Layer "Bottom Layer-+24V" (solid, remove dead copper, pour order 42): 8.636,4.064 17.78,4.064 17.78,16.764 18.796,17.78 24.892,23.876 24.892,31.496 26.924,33.528 26.924,72.136 28.956,74.168 62.992,74.168 62.992,86.868 33.02,86.868 3.048,86.868 3.048,75.692 3.048,75.184 3.048,74.168 3.048,72.136 6.096,72.136 11.176,72.136 11.176,33.02 10.16,32.004 10.16,31.496 10.16,23.876 8.636,22.352
BHS on Top Solder "Top Solder BHS" (solid, pour order 47): 63.5,132.08 43.866,132.105 43.866,130.048 43.866,127.229 42.316,125.095 40.996,123.177 38.049,123.177 36.627,123.177 35.293,123.177 33.274,120.667 33.274,111.303 53.95,111.303 53.95,87.782 54,87.732 54,87.782 61.578,87.733 61.578,109.482 63.246,111.15 63.5,111.404 63.5,132.105
GND on Top Solder "Top Solder - MOS2 - GND" (solid, pour order 48): 11.242,132.207 2.845,132.207 2.794,132.258 2.794,141.224 3.861,142.291 7.188,145.618 7.544,145.974 7.544,148.579 11.243,148.579
GND on Top Solder "Top Solder - MOS - GND" (solid, pour order 49): 61.62,132.283 53.721,132.283 53.721,148.623 60.968,148.623 61.204,148.623 61.479,148.623 61.62,132.537
AHS2 on Top Solder "Top Solder -AHS2" (solid, pour order 45): 43.688,146.812 34.036,146.812 34.036,131.542 30.866,127.971 26.929,127.971 25.26,126.301 23.876,124.917 23.876,119.05 23.876,111.303 28.804,111.303 33.02,111.303 33.02,120.675 34.15,122.263 35.268,123.38 40.881,123.381 43.688,127.406 43.688,146.812 34.036,146.812
AHS on Top Solder "Top Solder - AHS" (solid, pour order 46): 33.757,146.914 33.782,146.888 33.757,131.597 32.233,129.896 30.632,128.143 28.651,128.143 26.772,128.143 23.622,124.917 23.622,120.777 15.113,120.777 12.383,117.475 12.37,116.027 12.319,110.541 12.319,106.918 11.209,105.809 11.209,88.011 4.521,88.011 4.42,88.113 2.718,88.113 2.718,131.826 2.769,131.775 12.37,131.775 23.952,131.775 23.978,131.801 23.851,131.928 23.851,146.914 33.807,146.914 33.858,146.863
+24V on Top Solder "Top Solder+24V" (solid, pour order 44): 8.636,4.064 17.78,4.064 17.78,16.764 18.796,17.78 24.892,23.876 24.892,31.496 26.924,33.528 26.924,72.136 28.956,74.168 62.992,74.168 62.992,86.868 33.02,86.868 3.048,86.868 3.048,75.692 3.048,75.184 3.048,74.168 3.048,72.136 6.096,72.136 11.176,72.136 11.176,33.02 10.16,32.004 10.16,31.496 10.16,23.876 8.636,22.352
GND on Bottom Solder "Bottom Solder - MOS2 - GND" (solid, pour order 57): 11.242,132.207 2.845,132.207 2.794,132.258 2.794,141.224 3.861,142.291 7.188,145.618 7.544,145.974 7.544,148.58 9.997,148.58 10.749,148.58 11.242,148.58
GND on Bottom Solder "Bottom Solder - MOS - GND" (solid, pour order 55): 61.62,132.283 53.721,132.283 53.721,148.59 60.935,148.59 61.105,148.59 61.62,148.59 61.62,132.537
AHS2 on Bottom Solder "Bottom Solder - AHS2" (solid, pour order 52): 43.688,146.812 34.036,146.812 34.036,131.54 30.862,127.964 26.922,127.964 25.26,126.301 23.876,124.917 23.876,119.05 23.876,111.303 28.804,111.303 33.02,111.303 33.02,120.675 34.15,122.263 35.268,123.38 40.881,123.381 43.688,127.406 43.688,146.812 34.036,146.812
AHS on Bottom Solder "Bottom Solder - AHS" (solid, pour order 51): 33.757,146.914 33.782,146.888 33.757,131.597 32.233,129.896 30.632,128.143 28.651,128.143 26.772,128.143 23.622,124.917 23.622,120.777 15.113,120.777 12.383,117.475 12.37,116.027 12.319,110.541 12.319,106.918 11.209,105.809 11.209,88.011 4.521,88.011 4.42,88.113 2.718,88.113 2.718,131.826 2.769,131.775 12.37,131.775 23.952,131.775 23.978,131.801 23.851,131.928 23.851,146.914 33.807,146.914 33.858,146.863
BHS on Bottom Solder "Bottom Solder - BHS" (solid, pour order 50): 63.5,132.08 43.866,132.105 43.866,130.048 43.866,127.229 42.316,125.095 40.996,123.177 38.049,123.177 36.627,123.177 35.293,123.177 33.274,120.667 33.274,111.303 53.95,111.303 53.95,87.782 54,87.732 54,87.782 61.586,87.733 61.586,109.49 63.246,111.15 63.5,111.404 63.5,132.105
+24V on Bottom Solder "Bottom Solder+24V" (solid, pour order 43): 8.636,4.064 17.78,4.064 17.78,16.764 18.796,17.78 24.892,23.876 24.892,31.496 26.924,33.528 26.924,72.136 28.956,74.168 62.992,74.168 62.992,86.868 33.02,86.868 3.048,86.868 3.048,75.692 3.048,75.184 3.048,74.168 3.048,72.136 6.096,72.136 11.176,72.136 11.176,33.02 10.16,32.004 10.16,31.496 10.16,23.876 8.636,22.352

## Keep-outs
Keep-Out Layer:
  lines w0.2: 1,1 1,149 149,149 149,1 1,1

## Silkscreen, mask and mechanical layers (free items; w line width, h text height)
Top Overlay:
  text "Electroiman" at 41.529,149.149 h1.52 r180
  text "En" at 105.639,118.618 h0.89 r90
  text "Dis" at 96.19,118.212 h0.89 r90
  text "Comp D" at 114.046,83.947 h0.89
  text "Comp A" at 114.021,73.812 h0.89
  text "Tipo 1" at 100.025,53.442 h0.89
  text "Est D" at 113.614,53.01 h0.89
  text "Tipo 0" at 100.051,43.536 h0.89
  text "Est A" at 113.792,43.459 h0.89
  text "5V" at 67.285,42.52 h1.52 r90
  text "12V" at 67.386,17.196 h1.52 r90
  text "24V" at 39.7,3.048 h1.52 r90
  text "Referencia" at 72.085,1.295 h1.52
  text "+" at 12.7,1.016 h1.52
  text "24V" at 15.748,1.016 h1.52
  text "-" at 22.352,1.016 h1.52
Mechanical 1:
  the board outline again, w0.2
Mechanical 5:
  lines w0.2: 2.54,2.541 147.461,2.541 147.461,147.461 2.54,147.461 2.54,2.541
Mechanical 6:
  lines w0.1: 147.481,24.946 161.844,24.968 ; 148.995,38.425 163.005,38.425
  text "COPPER KEEPOUT" at 164.187,38.107 h3
  text "COMPONENTS KEEPOUT" at 164.334,24.649 h3

## Dimensions
0,0 to 0,150 on Mechanical 2
150,150 to 0,150 on Mechanical 2

## Text inside footprints (layer, text, board x,y; h text height)
TP402: Top Overlay "Vi_fm_ADC" at 141.471,132.694 h0.75